# Altium PCB CH565W-R0.PcbDoc (part 1 of 5) (continued)
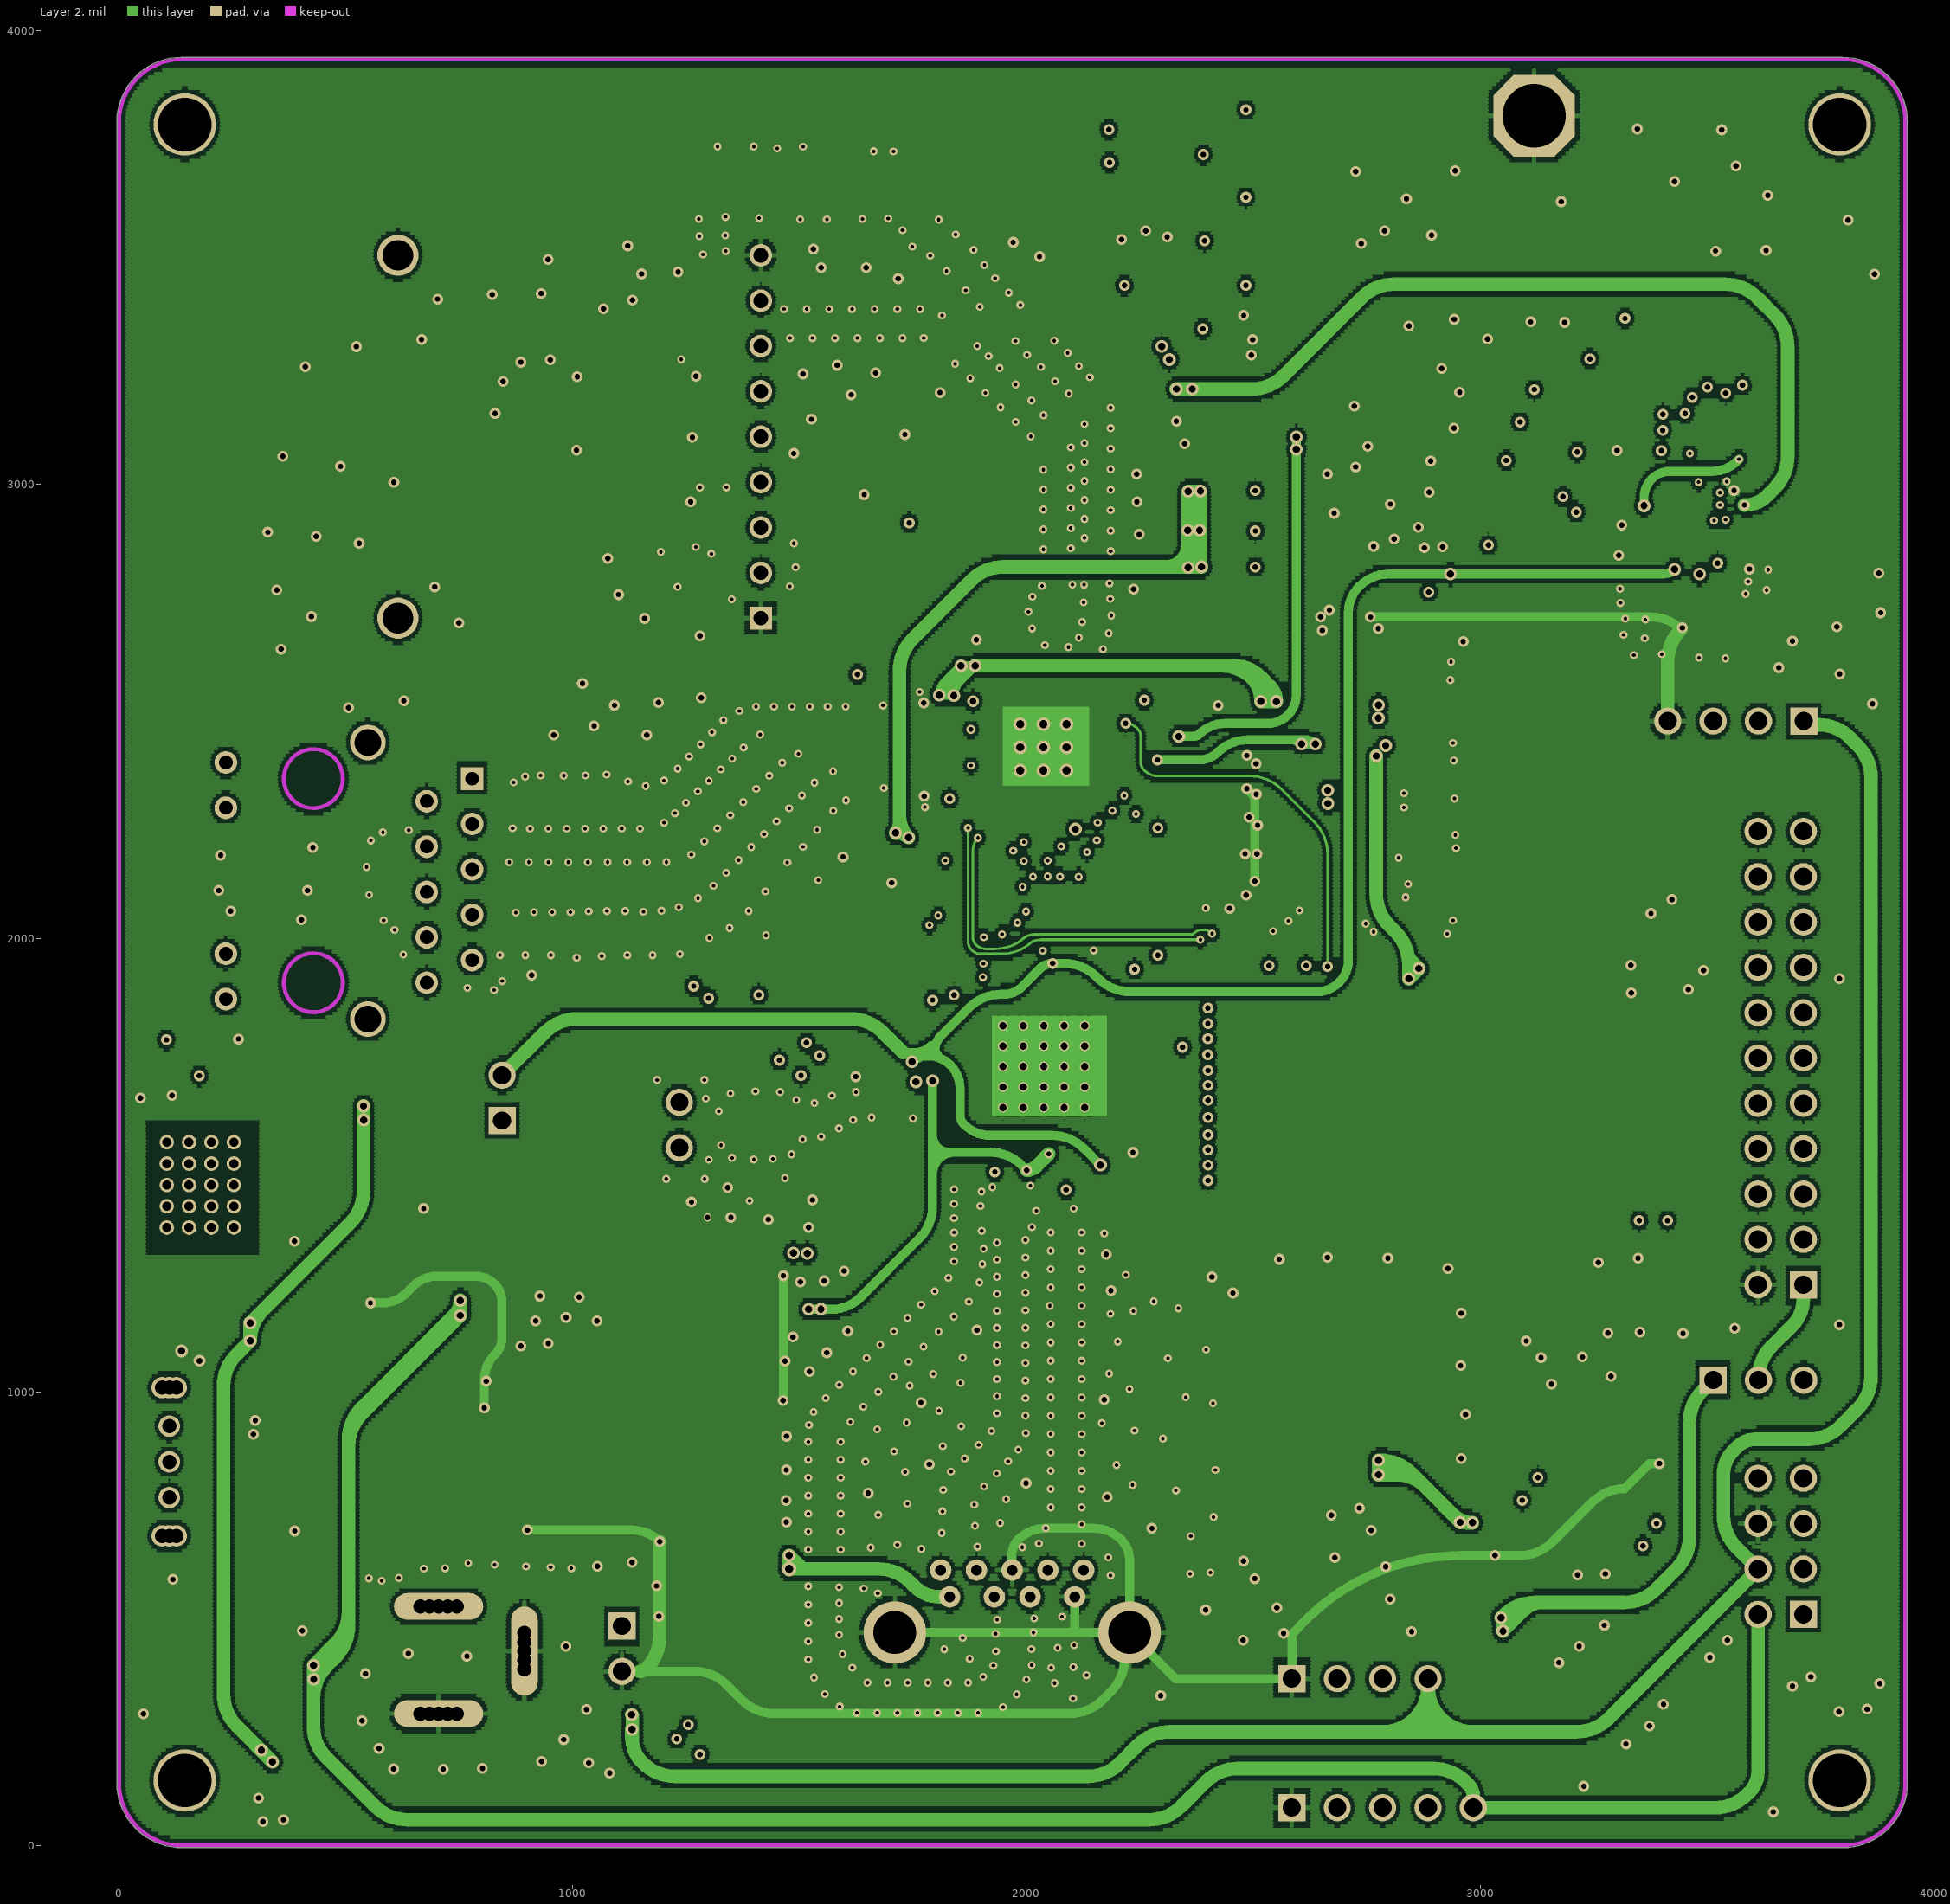
[diagram p3: Layer 2]

## Layer stack, top to bottom
Top Solder: solder mask 0.4, Solder Resist, Dk 3.5
Top Layer: signal copper 1.4
Dielectric 2: prepreg 2.8, PP-006, Dk 4.1
Layer 1: signal copper 1.378
Dielectric 3: prepreg 2.8, PP-006, Dk 4.1
Layer 2: signal copper 1.378
Dielectric 1: dielectric 12.6, FR-4, Dk 4.8
Bottom Layer: signal copper 1.4
Bottom Solder: solder mask 0.4, Solder Resist, Dk 3.5

## Board outline
-5.02,137.56 cw(c0,137.56) -5.01,137.68 cw(c0,137.8) -5.02,137.8 -5.02,3799.21 cw(c0,3799.21) -5.01,3799.38 cw(c0,3799.54) -5.02,3799.55 cw(c137.63,3799.38) 136.8,3942.02 cw(c137.63,3799.38) 136.97,3942.02 cw(c137.63,3799.38) 137.8,3942.02 136.97,3942.02 3799.21,3942.02 cw(c3799.21,3937.01) 3799.28,3942.02 cw(c3799.21,3799.21) 3942.02,3799.27 cw(c3937.01,3799.21) 3942.02,3799.21 3942.02,137.8 cw(c3937.01,137.8) 3942.02,137.74 ccw(c3799.36,137.65) 3942.02,137.8 ccw(c3799.36,137.65) 3942.02,137.8 3942.02,137.74 cw(c3799.36,137.65) 3942.02,137.65 cw(c3799.36,137.65) 3799.51,-5.01 cw(c3799.5,0) 3799.36,-5.01 cw(c3799.21,0) 3799.21,-5.01 137.79,-5.01 137.8,-5.01 cw(c137.68,137.68)

## Design rules (kind name [scope] priority, off if disabled: settings)
Clearance Clearance_2 [InPolygon] p1: gap=8 ignorepadtopadclearanceinfootprint=FALSE
Clearance Clearance_1 [IsVia] p2: gap=5 ignorepadtopadclearanceinfootprint=FALSE
Clearance [All] p3: gap=5 ignorepadtopadclearanceinfootprint=FALSE
ComponentClearance [All] p1 off: gap=10 collisioncheckmode=3 verticalgap=10 showdistances=FALSE
DiffPairsRouting [All] p1: maxlimit=10 minlimit=3.5 mostfreqgap=5 toplayer_minwidth=3.5 toplayer_maxwidth=20 toplayer_prefwidth=15 midlayer1_minwidth=3.5 midlayer1_maxwidth=20 midlayer1_prefwidth=15 midlayer2_minwidth=3.5 midlayer2_maxwidth=20 midlayer2_prefwidth=15 bottomlayer_minwidth=3.5 bottomlayer_maxwidth=20 bottomlayer_prefwidth=15 maxuncoupledlength=500
MinimumSolderMaskSliver [All] p1 off: minsoldermaskwidth=10
PolygonConnect PolygonConnect_1 [IsVia] p1: connectstyle=Direct reliefconductorwidth=10 reliefentries=4 polygonreliefangle="90 Angle" airgapwidth=10
PolygonConnect [All] p2: connectstyle=Relief reliefconductorwidth=10 reliefentries=4 polygonreliefangle="90 Angle" airgapwidth=10
RoutingVias [All] p1: holewidth=12 width=24 viastyle="Through Hole" minholewidth=7.87 minwidth=17.72 maxholewidth=28 maxwidth=50
SilkToSilkClearance [All] p1 off: silktosilkclearance=10
SilkToSolderMaskClearance [IsPad] p1 off: minsilkscreentomaskgap=10 clearancetoexposedcopper=TRUE
SolderMaskExpansion [All] p1: expansion=4 istentingtop=FALSE
Width [All] p1: maxlimit=60 minlimit=3.5 preferedwidth=30
25 further rules are at their usual default settings.

## Classes and differential pairs
differential pair EX: +EX_p -EX_n
differential pair HSI: +HSI_p -HSI_n
differential pair HSO_CK: +HSO_CK_p -HSO_CK_n
differential pair HSO: +HSO_p -HSO_n
differential pair MDI0: +MDI0_p -MDI0_n
differential pair MDI1: +MDI1_p -MDI1_n
differential pair MDI2: +MDI2_p -MDI2_n
differential pair MDI3: +MDI3_p -MDI3_n
differential pair RX: +RX_P -RX_N
differential pair SSRX: +SSRX_p -SSRX_n
differential pair SSTX: +SSTX_p -SSTX_n
differential pair TX: +TX_P -TX_N
differential pair UD: +UD_p -UD_n

## Components (designator, comment, footprint, x,y, rotation, side; value= is the part's Value field where it differs from the comment)
C1 "10uF" 3216 711.33,980.05 r0 top
C2 "100nF" 3216 595.06,1181.08 r180 top
C3 "10uF" 3216 138.32,1131.85 r180 top
C4 "22pF" 0603C#1 445.73,1045.86 r0 top
C5 "10uF" 3216 693.5,1613.32 r0 top
C6 "100nF" 0603C#1 622.28,1521.29 r180 top
C7 "10uF" 3216 693.5,1348.18 r0 top
C8 "100nF" 0603C#1 622.28,1445.69 r180 top
C9 "33uF" 3216 168.31,588.13 r180 top
C10 "100nF" 0603C#1 431.73,505.44 r90 top
C11 "NC(100nF)" 3216 755.6,865.01 r90 top
C12 "NC(20pF)" 0603C#1 989.47,1045.86 r0 top
C13 "NC(10uF)" 3216 1249.85,980.05 r0 top
C14 "NC(100nF)" 3216 1139.85,1181.08 r180 top
C15 "100nF" 0603C#1 1965.29,2515.77 r180 bottom
C16 "100nF" 0603C#1 1775.37,2335.2 r0 bottom
C17 "100nF" 0603C#1 2391.58,2530.02 r180 top
C18 "4.7uF" 0603C#1 2722.62,3208.28 r180 top
C19 "NC(10uF)" 3216 1163.53,3238.71 r0 bottom
C20 "NC(100nF)" 0603C#1 1336.16,3201.83 r180 bottom
C21 "NC(10uF)" 3216 1166.01,3079.34 r0 bottom
C22 "NC(100nF)" 0603C#1 1336.16,3103.34 r180 bottom
C23 "100nF" 0402C 2076.34,1936.13 r270 bottom
C24 "100nF" 0603C#1 2391.58,2467.96 r180 top
C25 "4.7uF" 0603C#1 2722.62,3137.48 r180 top
C26 "NC" 0402C 2336.45,2296.65 r0 top
C27 "NC" 0402C 2116.58,1977.58 r180 top
C28 "NC(100nF)" "C 0402_L"#1 2086.23,2704.42 r90 top
C29 "NC(100nF)" "C 0402_L"#1 2047.23,2704.42 r90 top
C30 "NC(100nF)" "C 0402_L"#1 1570.12,3709.36 r180 top
C31 "NC(100nF)" "C 0402_L"#1 1569.93,3670.39 r180 top
C32 "100nF" 0603C#1 1727.98,1780.45 r90 bottom
C33 "NC(100nF)" 0603C#1 3567.1,184.19 r0 top
C34 "100nF" 0603C#1 1698.35,1694.32 r180 bottom
C35 "3.3uF" 0603C#1 1660.22,1835.43 r270 bottom
C36 "100nF" 0603C#1 1869.62,1691.49 r180 bottom
C37 "100nF" 0603C#1 1647.17,1704.14 r0 top
C38 "3.3uF" 0603C#1 1869.62,1755.37 r180 bottom
C39 "100nF" 0603C#1 1702.57,2090.31 r180 top
C40 "100nF" 0603C#1 904.72,2418.14 r0 top
C41 "100nF" 0603C#1 1965.29,2582.46 r180 bottom
C42 "100nF" 0603C#1 1775.37,2401.28 r0 bottom
C43 "100nF" 0603C#1 1775.37,2467.37 r0 bottom
C44 "22uF" 3528 2727.47,2603.15 r0 bottom
C45 "100nF" 0603C#1 2618.17,2705.28 r180 bottom
C46 "100nF" 0603C#1 1935.23,1573.66 r270 bottom
C47 "20pF" 0603C#1 1558.97,1474.18 r270 top
C48 "20pF" 0603C#1 1643.26,1317 r0 top
C49 "100nF" 0603C#1 1999.49,1573.66 r270 bottom
C50 "100nF" 0603C#1 2123.11,1563.26 r180 bottom
C51 "100nF" 0603C#1 2243.18,1499.94 r180 bottom
C52 "100nF" 0603C#1 2085.63,2330.59 r270 bottom
C53 "100nF" 0603C#1 2390.39,3562.09 r0 top
C54 "100nF" 0603C#1 2390.39,3755.1 r0 top
C55 "100nF" 0603C#1 2393.75,2390.13 r180 bottom
C56 "4.7uF" 0603C#1 2393.75,2328.02 r180 bottom
C57 "27pF" 0603C#1 1658.43,2766.06 r270 top
C58 "100nF" 0603C#1 2390.39,3370.91 r0 top
C59 "27pF" 0603C#1 1771.58,2844.91 r0 top
C60 "1uF" 0402C 3377.84,3075.88 r90 bottom
C61 "4.7uF" 0402C 3432.34,2899.46 r90 bottom
C62 "100nF" 0402C 3526.13,2802.36 r180 bottom
C63 "100nF" 0402C 3454.09,2801.85 r180 bottom
C64 "100nF" 0402C 3573.76,3090.21 r270 bottom
C65 "100nF" 0603C#1 3374.03,895.12 r180 top
C66 "100nF" 0603C#1 1444.06,608.6 r180 top
C67 "4.7uF" 0402C 3486.52,3021.86 r270 bottom
C68 "100nF" 0402C 3617.9,2956.7 r270 bottom
C69 "100nF" 0402C 3611.87,3004.9 r0 bottom
C70 "10uF" 3216 1424.93,510.97 r0 top
C71 "100nF" "C 0402_L"#2 1984.51,1411.34 r270 top
C72 "100nF" "C 0402_L"#2 1951.01,1411.34 r270 top
C73 "NC(100nF)" 0603C#2 1439.59,1615.2 r180 top
C74 "NC(100nF)" 0603C#2 1439.59,1559.12 r180 top
C75 "NC(33uF)" 3216 168.31,486.14 r180 top
D1 "LED1" 0805+ 140.35,369.48 r0 top
D2 "blue 0805" 0805+ 105.9,1736.01 r0 top
D3 "Green 0805" 0805+ 2557.01,1081.6 r90 top
D4 "Blue 0805" 0805+ 2666.38,1081.6 r90 top
D5 "Yellow 0805" 0805+ 2775.75,1081.6 r90 top
F1 "1A" 0805 122.84,1235.6 r0 top
F2 "1A" 0805 1441.23,402.99 r180 top
FMI1 "NC(PT8351)" PT8351 1414.36,2705.51 r180 top
J1 "CON2(NC)" SIP2-2.54mm#1 1234.59,1638.12 r0 top
J3 "CON4" SIP4-2.54mm 2585.09,367.45 r90 top
J4 "CON3" SIP3-2.54mm 3513.66,1025.68 r90 top
J5 "USB-AF3.0" USB3.0-A-Receptacle 1830.72,547.91 r0 top
J6 "CON4" SIP4-2.54mm 3713.66,2478.72 r270 top
JP1 "HEADER 4X2" IDC8-2.54mm 3712.66,509.23 r180 top
L1 "*" SMD_5x5mm 564.59,744.24 r90 top
L3 "NC(3.3uH)" SMD_5x5mm 1075.53,744.24 r90 top
L5 "NC(100mH)" 0805 854.63,2821.07 r90 bottom
L6 "NC(100mH)" 0805 947.63,2821.07 r90 bottom
L7 "2.2uH" SMD_5x5mm 2341.44,2648.83 r0 bottom
P2 "POWER_JACK" DC-005 704.07,526.67 r90 top
P3 "Header 2" SIP2-2.54mm#2 843.97,1597.92 r0 top
P4 "Header 2" SIP2-2.54mm#2 1108.22,483.63 r180 top
P5 "Header 5" SIP5-2.54mm 2585.09,83.11 r90 top
P6 "Header 11X2" IDC22-2.54mm 3712.66,1235.79 r180 top
R1 "10K" 0603 503.06,964.09 r180 top
R2 "1K" 0603 339.95,365.91 r0 top
R3 "2.2K" 0603 303.6,964.09 r0 top
R4 "NC(10K)" 0603 1046.15,964.09 r180 top
R5 "NC(10K)" 0603 857.74,964.09 r0 top
R6 "NC(180Ω)" 0603 1338.98,3469.48 r180 bottom
R7 "NC(180Ω)" 0603 1338.98,3268.74 r180 bottom
R8 "NC(68Ω)" 0603 1338.98,3402.57 r180 bottom
R9 "0Ω" 0603 2403.9,3208.28 r0 top
R10 "0Ω" 0603 2533.95,3208.28 r0 top
R11 "NC(68Ω)" 0603 1338.98,3335.66 r180 bottom
R12 "NC(0Ω)" 0603 855.52,2674.67 r90 bottom
R13 "NC(0Ω)" 0603 949.8,2674.67 r90 bottom
R14 "2.49K 1%" 0603 1789.55,2586.75 r180 top
R15 "NC(0Ω)" 0603 1913.28,2895.75 r270 top
R16 "NC(0Ω)" 0603 1977.14,2895.75 r270 top
R17 "0Ω" 0603 2403.9,3137.48 r0 top
R18 "0Ω" 0603 2533.95,3137.48 r0 top
R19 "NC(4.7KΩ)" 0603 1642.47,3004.25 r180 top
R20 "NC(0R)" 0402 1878.26,1914.38 r180 bottom
R21 "NC(0R)" 0402 1878.52,1957.02 r180 bottom
R22 "NC(0R)" 0402 1879.11,1999.15 r180 bottom
R23 "NC(270Ω)" 0603 1291.18,2804.76 r0 bottom
R24 "NC(270Ω)" 0603 1291.18,2909.48 r0 bottom
R25 "0Ω" 0402 2288.5,2263.11 r90 top
R26 "0Ω" 0402 2070.34,2010.74 r270 top
R27 "0Ω" 0603 3624.9,252.09 r180 top
R28 "4.7K" 0603 2411.47,2818.39 r0 top
R29 "NC" 0603 2536.59,2818.39 r0 top
R30 "NC" 0603 2609.22,2397.59 r180 top
R31 "4.7K" 0603 2398.43,2397.59 r0 top
R32 "NC" 0603 2609.22,2326.58 r180 top
R33 "4.7K" 0603 2398.43,2326.58 r0 top
R34 "0Ω" 0603 2426.43,1853.87 r0 top
R35 "4.7K" 0603 2743.57,1879.13 r0 top
R36 "NC(0Ω)" 0603 2677.86,1879.13 r180 top
R37 "NC" 0603 2411.47,2897.13 r0 top
R38 "4.7K" 0603 2536.59,2897.13 r0 top
R39 "NC" 0603 2411.47,2985.87 r0 top
R40 "4.7K" 0603 2536.59,2985.87 r0 top
R41 "33R" RCA-8P4R-0603 2458.02,1794.33 r270 bottom
R42 "33R" RCA-8P4R-0603 2458.02,1658.42 r90 bottom
R43 "4.7K" 0603 1644.77,2023.17 r0 top
R44 "0Ω" 0603 1573.01,2022.43 r180 top
R45 "NC" 0603 2609.22,2261.58 r180 top
R46 "4.7K" 0603 2398.43,2261.58 r0 top
R47 "NC" 0603 2609.22,2193.57 r180 top
R48 "4.7K" 0603 2398.43,2193.57 r0 top
R49 "NC" 0603 2609.22,2125.57 r180 top
R50 "4.7K" 0603 2398.43,2125.57 r0 top
R51 "33R" RCA-8P4R-0603 2458.02,1514.59 r90 bottom
R52 "10K" 0603 3508.47,897.08 r180 top
R53 "4.7K" 0603 1769.44,2220.81 r0 top
R54 "0Ω" 0603 2749.47,2484.02 r180 top
R55 "0Ω" 0603 919.3,1848.76 r0 top
R56 "0Ω" 0603 2694.06,2371.24 r270 top
R57 "510Ω" 0603 2118.6,3633.33 r0 top
R58 "NC" 0603 2252.54,3633.33 r0 top
R59 "0Ω" 0603 2447.11,3633.33 r180 top
R60 "0Ω" 0603 1659.93,2642.4 r270 top
R61 "NC" 0603 2520.42,3633.33 r0 top
R62 "0Ω" 0603 1833.08,2915.44 r180 top
R63 "0Ω" 0603 2770.33,2310.61 r90 top
R64 "10K" 0603 3185.89,1248.07 r180 top
R65 "10K" 0603 3185.89,1185.93 r180 top
R66 "NC(510Ω)" 0603 2118.6,3826.22 r0 top
R67 "0Ω" 0603 2252.54,3826.22 r0 top
R68 "NC" 0603 2447.11,3826.22 r180 top
R69 "510Ω" 0603 2520.42,3826.22 r0 top
R70 "NC" 0603 2118.6,3439.1 r0 top
R71 "0Ω" 0603 2252.54,3439.1 r0 top
R72 "NC" 0603 2447.11,3439.1 r180 top
R73 "510Ω" 0603 2520.42,3439.1 r0 top
R74 "33Ω" 0402 3398.87,2952.28 r0 bottom
R75 "10K" 0603 2989.6,2803.67 r90 bottom
R76 "33R" RCA-8P4R-0603 2458.02,1692.43 r270 top
R77 "33Ω" 0603 2989.6,2864.3 r270 top
R78 "33Ω" 0603 2885.32,2734.3 r270 top
R79 "1K" 0402 3432.34,3000.83 r180 bottom
R80 "33R" RCA-8P4R-0603 2458.02,1549.7 r270 top
R81 "1K" 0603 2556.38,946.26 r270 top
R82 "1K" 0603 2666.38,946.08 r270 top
R83 "1K" 0603 2775.75,945.83 r270 top
R84 "0Ω" 0603 905.3,1445.02 r0 top
R85 "0Ω" 0603 905.3,1307.5 r0 top
R86 "NC(0Ω)" 0402 2271.88,1910.43 r180 bottom
R87 "NC(0Ω)" 0402 2343.67,1963.28 r180 bottom
R88 "NC(0Ω)" 0603 3809.64,1967.68 r90 bottom
R89 "0Ω" 0805 617.88,1079.72 r0 top
R90 "0Ω" 0805 1141.72,1079.72 r0 top
S1 "SW-PB" SMD_6.1x3.65x2.5mm-KEY 3544.26,97.75 r180 top
S2 "SW-PB" SMD_6.1x3.65x2.5mm-KEY 3229.3,344.38 r0 top
S3 "SW-SPDT" "Horizontal Slide Switch_8.7x4.4mm-2D" 23.56,1016.84 r270 top
tp1 "test-point" TESTPOINT1 1793.44,3060.12 r0 top
tp2 "test-point" TESTPOINT1 1905.1,3060.12 r0 top
U1 "8502AM" SOT-23-5 332.87,742.39 r0 top
U2 "1117-3.3V" SOT-223 398.07,1369.16 r90 top
U3(NC) "8502AM" SOT-23-5 860,742.39 r0 top
U4 "CH565W" QFN68_8X8 2038.59,1717.12 r0 top
U5 "RTL8211FS" QFN48_6X6 1919.13,2507.41 r0 top
U6 "HR911130C" HR911130C 777.86,2351.78 r90 top
U7 "MTFC16GJVEC-4M IT" WFBGA-169-14x18x0.8mm 3422.73,3114.53 r0 top
U8 "W25Q32JV" SOIC-8_208mil 3035.36,811.58 r0 top
X1 "30MHz" 3225 1631.8,1402.13 r90 top
X2 "25MHz" 3225 1829.29,2696.56 r180 top

## Footprints (in the part's own frame and the unit in brackets; to place one, negate y for a bottom-side part, rotate by r counter-clockwise, add the part's x,y. Pads: shape width x height; smd on the part's side, far side on the other; paste and mask are expansions set on the pad)
0402 [mm]
  rect 0.6x0.65 smd mask+0.051: 1(0,0) 2(0.85,0)
  silkscreen extent -0.55,-0.58 1.4,0.57
0402C [mm]
  rect 0.65x0.6 smd mask+0.051: 1(0,0) 2(0,-0.85)
  silkscreen extent -0.58,-1.4 0.57,0.55
0603 [mm]
  rect 0.93x0.98 smd: 1(0,0) 2(1.54,0)
  silkscreen extent -0.76,-0.79 2.3,0.79
0603C#1 [mil]
  rect 36x36 smd: 1(0,0) 2(55,0)
  silkscreen extent -33,-31 88,31
0603C#2 [mil]
  rect 36x31.08 smd: 1(0,0) 2(55,0)
  silkscreen extent -33,-31 88,31
0805 [mm]
  rect 1.16x1.47 smd: 1(0,0) 2(1.78,0)
  silkscreen extent -0.88,-1.04 2.66,1.03
0805+ [mm]
  rect 1.16x1.47 smd: 1(0,0) 2(1.78,0)
  silkscreen extent -0.88,-1.04 3.13,1.03
3216 [mil]
  rect 60x70 smd: 1(0,0) 2(-110,0)
  silkscreen extent -160,-45 50,45
3225 [mm]
  oct 1.3x1.1 smd: 1(0,-1.9)
  rect 1.3x1.1 smd: 2(2.3,-1.9) 3(2.3,0) 4(0,0)
  silkscreen extent -1.02,-2.7 3.27,0.84
3528 [mil]
  rect 75x90 smd: 1(0,0) 2(-135,0)
  silkscreen extent -195,-65 65,65
"C 0402_L"#1 [mm]
  rect 0.4x0.584 smd: 1(-0.45,0) 2(0.45,0)
  silkscreen extent -0.85,-0.45 0.85,0.45, body extent -0.5,-0.26 0.5,0.26, height 0.53
"C 0402_L"#2 [mm]
  rect 0.4x0.343 smd: 1(-0.45,0) 2(0.45,0)
  silkscreen extent -0.85,-0.45 0.85,0.45, body extent -0.5,-0.26 0.5,0.26, height 0.53
DC-005 [mm]
  round 1 hole 0.8: 1(0,1.016) 1(0,0.508) 1(0,-0.508) 1(0,-1.016) 2(-6,-1.016) 2(-6,-0.508) 2(-6,0.508) 2(-6,1.016) 3(-3.516,-4.8) 3(-3.008,-4.8) 3(-1.992,-4.8) 3(-1.484,-4.8)
  oval 1.5x5 hole 0.8: 1(0,0) 2(-6,0)
  oval 5x1.5 hole 0.8: 3(-2.5,-4.8)
  silkscreen extent -13.5,-4.5 0,4.5
"Horizontal Slide Switch_8.7x4.4mm-2D" [mm]
  round 1.2 hole 0.8: 0(0.2,2.6) 0(0.2,2.2) 0(0.2,1.8) 0(8.5,1.8) 0(8.5,2.2) 0(8.5,2.6) 1(4.35,2.2) 2(2.35,2.2) 3(6.35,2.2)
  silkscreen extent 0,-3 8.7,4.4
HR911130C [mil]
  round 78.74 hole 59.06: 0(-529.99,229.92) 0(79.85,229.92)
  rect 50x50 hole 30: 1(0,0)
  round 50 hole 30: 2(-50,100) 3(-100,0) 4(-150,100) 5(-200,0) 6(-250,100) 7(-300,0) 8(-350,100) 9(-400,0) 10(-450,100) 11(35.76,542.91) 12(-64.24,542.91) 13(-385.9,542.91) 14(-485.9,542.91)
  Keep-Out Layer circle w9: c0,350 r65
  Keep-Out Layer circle w9: c-450,350 r65
  silkscreen extent -542,-70 92,780
IDC8-2.54mm [mil]
  rect 60x60 hole 40: 1(0,0)
  round 60 hole 40: 2(100,0) 3(0,-100) 4(100,-100) 5(0,-200) 6(100,-200) 7(0,-300) 8(100,-300)
  silkscreen extent -50,-350 150,50
IDC22-2.54mm [mil]
  rect 60x60 hole 40: 1(0,0)
  round 60 hole 40: 2(100,0) 3(0,-100) 4(100,-100) 5(0,-200) 6(100,-200) 7(0,-300) 8(100,-300) 9(0,-400) 10(100,-400) 11(0,-500) 12(100,-500) 13(0,-600) 14(100,-600) 15(0,-700) 16(100,-700) 17(0,-800) 18(100,-800) 19(0,-900) 20(100,-900) 21(0,-1000) 22(100,-1000)
  silkscreen extent -50,-1051 150,50
PT8351 [mil] "1.25GHz,1550nm激?"
  rect 50x50 hole 32: 1(0,0)
  round 50 hole 32: 2(0,-100) 3(0,-200) 4(0,-300) 5(0,-400) 6(0,-500) 7(0,-600) 8(0,-700) 9(0,-800)
  round 90.55 hole 66.93: 10(800,0) 11(800,-800)
  silkscreen extent -119,-900 1416,100
QFN48_6X6 [mm]
  oval 1.2x0.2 smd: 1(0,0) 2(0,-0.4) 3(0,-0.8) 4(0,-1.2) 5(0,-1.6) 6(0,-2) 7(0,-2.4) 8(0,-2.8) 9(0,-3.2) 10(0,-3.6) 11(0,-4) 12(0,-4.4) 25(6,-4.4) 26(6,-4) 27(6,-3.6) 28(6,-3.2) 29(6,-2.8) 30(6,-2.4) 31(6,-2) 32(6,-1.6) 33(6,-1.2) 34(6,-0.8) 35(6,-0.4) 36(6,0)
  oval 0.2x1.2 smd: 13(0.8,-5.2) 14(1.2,-5.2) 15(1.6,-5.2) 16(2,-5.2) 17(2.4,-5.2) 18(2.8,-5.2) 19(3.2,-5.2) 20(3.6,-5.2) 21(4,-5.2) 22(4.4,-5.2) 23(4.8,-5.2) 24(5.2,-5.2) 37(5.2,0.8) 38(4.8,0.8) 39(4.4,0.8) 40(4,0.8) 41(3.6,0.8) 42(3.2,0.8) 43(2.8,0.8) 44(2.4,0.8) 45(2,0.8) 46(1.6,0.8) 47(1.2,0.8) 48(0.8,0.8)
  round 0.762 hole 0.457: 49(1.7,-3.5) 49(1.7,-2.2) 49(1.7,-0.9) 49(3,-3.5) 49(3,-2.2) 49(3,-0.9) 49(4.3,-3.5) 49(4.3,-2.2) 49(4.3,-0.9)
  rect 4x4 smd: 49(3,-2.2)
  silkscreen extent -0.08,-5.2 6,0.89
QFN68_8X8 [mm]
  round 0.559 hole 0.406: 0(-2.299,-2.293) 0(-2.299,-1.149) 0(-2.299,-0.006) 0(-2.299,1.138) 0(-2.299,2.281) 0(-1.155,-2.293) 0(-1.155,-1.149) 0(-1.155,-0.006) 0(-1.155,1.138) 0(-1.155,2.281) 0(-0.012,-2.293) 0(-0.012,-1.149) 0(-0.012,-0.006) 0(-0.012,1.138) 0(-0.012,2.281) 0(1.132,-2.293) 0(1.132,-1.149) 0(1.132,-0.006) 0(1.132,1.138) 0(1.132,2.281) 0(2.275,-2.293) 0(2.275,-1.149) 0(2.275,-0.006) 0(2.275,1.138) 0(2.275,2.281)
  rect 6x6 smd: 0(0,0)
  oval 0.2x0.8 smd: 1(-3.2,-3.982) 2(-2.8,-3.982) 3(-2.4,-3.982) 4(-2,-3.982) 5(-1.6,-3.982) 6(-1.2,-3.982) 7(-0.8,-3.982) 8(-0.4,-3.982) 9(0,-3.982) 10(0.4,-3.982) 11(0.8,-3.982) 12(1.2,-3.982) 13(1.6,-3.982) 14(2,-3.982) 15(2.4,-3.982) 16(2.8,-3.982) 17(3.2,-3.982) 35(3.2,3.982) 36(2.8,3.982) 37(2.4,3.982) 38(2,3.982) 39(1.6,3.982) 40(1.2,3.982) 41(0.8,3.982) 42(0.4,3.982) 43(0,3.982) 44(-0.4,3.982) 45(-0.8,3.982) 46(-1.2,3.982) 47(-1.6,3.982) 48(-2,3.982) 49(-2.4,3.982) 50(-2.8,3.982) 51(-3.2,3.982)
  oval 0.8x0.2 smd: 18(4.018,-3.2) 19(4.018,-2.8) 20(4.018,-2.4) 21(4.018,-2) 22(4.018,-1.6) 23(4.018,-1.2) 24(4.018,-0.8) 25(4.018,-0.4) 26(4.018,0) 27(4.018,0.4) 28(4.018,0.8) 29(4.018,1.2) 30(4.018,1.6) 31(4.018,2) 32(4.018,2.4) 33(4.018,2.8) 34(4.018,3.2) 52(-4.018,3.2) 53(-4.018,2.8) 54(-4.018,2.4) 55(-4.018,2) 56(-4.018,1.6) 57(-4.018,1.2) 58(-4.018,0.8) 59(-4.018,0.4) 60(-4.018,0) 61(-4.018,-0.4) 62(-4.018,-0.8) 63(-4.018,-1.2) 64(-4.018,-1.6) 65(-4.018,-2) 66(-4.018,-2.4) 67(-4.018,-2.8) 68(-4.018,-3.2)
  silkscreen extent -4,-5.19 4,4
RCA-8P4R-0603 [mm]
  rect 0.65x0.9 smd: 1(-1.28,-0.8) 4(1.28,-0.8) 5(1.28,0.8) 8(-1.28,0.8)
  rect 0.5x0.9 smd: 2(-0.4,-0.8) 3(0.4,-0.8) 6(0.4,0.8) 7(-0.4,0.8)
  silkscreen extent -1.78,-1.4 1.78,1.4, body extent -1.6,-0.8 1.6,0.8, height 0.6
SIP2-2.54mm#1 [mil]
  round 60 hole 40: 1(0,0) 2(0,-100)
  silkscreen extent -50,-150 50,50
SIP2-2.54mm#2 [mil]
  rect 60x60 hole 40: 1(0,0)
  round 60 hole 40: 2(0,100)
  silkscreen extent -50,-50 50,150
SIP3-2.54mm [mil]
  rect 60x60 hole 40: 1(0,0)
  round 60 hole 40: 2(0,-100) 3(0,-200)
  silkscreen extent -50,-250 50,50
SIP4-2.54mm [mil]
  rect 60x60 hole 40: 1(0,0)
  round 60 hole 40: 2(0,-100) 3(0,-200) 4(0,-300)
  silkscreen extent -50,-350 50,50
SIP5-2.54mm [mil]
  rect 60x60 hole 40: 1(0,0)
  round 60 hole 40: 2(0,-100) 3(0,-200) 4(0,-300) 5(0,-400)
  silkscreen extent -50,-450 50,50
SMD_5x5mm [mm]
  rect 1.5x4.2 smd: 1(0,0) 2(3.23,0)
  silkscreen extent -0.88,-2.5 4.12,2.5
SMD_6.1x3.65x2.5mm-KEY [mm]
  rect 1x1 smd: 1(0,0) 2(8,0)
  silkscreen extent 0.98,-1.83 7.08,1.83
SOIC-8_208mil [mil]
  rect 90x24 smd: 1(0,0)
  oval 90x24 smd: 2(0,-50) 3(0,-100) 4(0,-150) 5(270,-150) 6(270,-100) 7(270,-50) 8(270,0)
  silkscreen extent -7,-175 212,38
SOT-23-5 [mm]
  rect 0.6x1.1 smd: 1(0,0) 2(0.95,0) 3(1.9,0) 4(1.9,2.8) 5(0,2.8)
  silkscreen extent -0.92,-0.22 2.35,1.9
SOT-223 [mil]
  rect 60x120 smd: 1(0,0) 2(86,0) 3(172,0)
  rect 240x200 smd: ""(86,220)
  silkscreen extent -47,60 219,335
TESTPOINT1 [mm]
  round 1.5 smd: 1(0,0)
  silkscreen extent -0.86,-0.86 0.87,0.86
USB3.0-A-Receptacle [mm]
  round 3.5 hole 2.4: 0(-3.07,-2) 0(10.07,-2)
  round 1.2 hole 0.6: 1(0,0) 2(2.5,0) 3(4.5,0) 4(7,0) 5(7.5,1.5) 6(5.5,1.5) 7(3.5,1.5) 8(1.5,1.5) 9(-0.5,1.5)
  silkscreen extent -3.14,-14.04 10.07,2.85
WFBGA-169-14x18x0.8mm [mm]
  round 0.3 smd: A4(1.5,3.5) A6(2.5,3.5) A9(4,3.5) A11(5,3.5) AA1(0,-6.5) AA3(1,-6.5) AA4(1.5,-6.5) AA5(2,-6.5) AA6(2.5,-6.5) AA7(3,-6.5) AA8(3.5,-6.5) AA9(4,-6.5) AA10(4.5,-6.5) AA11(5,-6.5) AA12(5.5,-6.5) AA13(6,-6.5) AA14(6.5,-6.5) AE1(0,-8.5) AE14(6.5,-8.5) AG2(0.5,-9.5) AG13(6,-9.5) AH4(1.5,-10) AH6(2.5,-10) AH9(4,-10) AH11(5,-10) B2(0.5,3) B13(6,3) D1(0,2) D14(6.5,2) H3(1,0) H4(1.5,0) H5(2,0) H7(3,0) H8(3.5,0) H9(4,0) H10(4.5,0) H11(5,0) H12(5.5,0) H13(6,0) H14(6.5,0) J1(0,-0.5) J2(0.5,-0.5) J3(1,-0.5) J4(1.5,-0.5) J5(2,-0.5) J6(2.5,-0.5) J7(3,-0.5) J8(3.5,-0.5) J9(4,-0.5) J10(4.5,-0.5) J11(5,-0.5) J12(5.5,-0.5) J13(6,-0.5) J14(6.5,-0.5) K2(0.5,-1) K4(1.5,-1) K5(2,-1) K6(2.5,-1) K7(3,-1) K8(3.5,-1) K9(4,-1) K10(4.5,-1) K11(5,-1) K12(5.5,-1) K13(6,-1) K14(6.5,-1) L1(0,-1.5) L2(0.5,-1.5) L4(1.5,-1.5) L12(5.5,-1.5) L13(6,-1.5) L14(6.5,-1.5) M1(0,-2) M2(0.5,-2) M3(1,-2) M5(2,-2) M6(2.5,-2) M7(3,-2) M8(3.5,-2) M9(4,-2) M10(4.5,-2) M12(5.5,-2) M13(6,-2) M14(6.5,-2) N1(0,-2.5) N2(0.5,-2.5) N3(1,-2.5) N5(2,-2.5) N10(4.5,-2.5) N12(5.5,-2.5) N13(6,-2.5) N14(6.5,-2.5) P1(0,-3) P2(0.5,-3) P3(1,-3) P5(2,-3) P10(4.5,-3) P12(5.5,-3) P13(6,-3) P14(6.5,-3) R1(0,-3.5) R2(0.5,-3.5) R3(1,-3.5) R5(2,-3.5) R10(4.5,-3.5) R12(5.5,-3.5) R13(6,-3.5) R14(6.5,-3.5) T1(0,-4) T2(0.5,-4) T3(1,-4) T5(2,-4) T10(4.5,-4) T12(5.5,-4) T13(6,-4) T14(6.5,-4) U1(0,-4.5) U2(0.5,-4.5) U3(1,-4.5) U5(2,-4.5) U8(3.5,-4.5) U9(4,-4.5) U10(4.5,-4.5) U12(5.5,-4.5) U13(6,-4.5) U14(6.5,-4.5) V1(0,-5) V2(0.5,-5) V3(1,-5) V12(5.5,-5) V13(6,-5) V14(6.5,-5) W1(0,-5.5) W2(0.5,-5.5) W3(1,-5.5) W4(1.5,-5.5) W5(2,-5.5) W6(2.5,-5.5) W7(3,-5.5) W8(3.5,-5.5) W9(4,-5.5) W10(4.5,-5.5) W11(5,-5.5) W12(5.5,-5.5) W13(6,-5.5) W14(6.5,-5.5) Y1(0,-6) Y2(0.5,-6) Y3(1,-6) Y4(1.5,-6) Y5(2,-6) Y6(2.5,-6) Y7(3,-6) Y8(3.5,-6) Y9(4,-6) Y10(4.5,-6) Y11(5,-6) Y12(5.5,-6) Y13(6,-6) Y14(6.5,-6)